# Altium PCB V5_CORE_V1.2.PcbDoc (part 1 of 3)
Units mm, origin at the board's own origin, x right, y up, seen from the top; angles counter-clockwise.
Board outline 33.75 x 33.75 mm, 6 copper layers (Top Layer, GND, S1, S2, POWER, Bottom Layer), stack 1.231 mm thick; 142 components, 227 nets, 732 pads, 359 vias.
Unrouted connection lines stored in the file: 1.
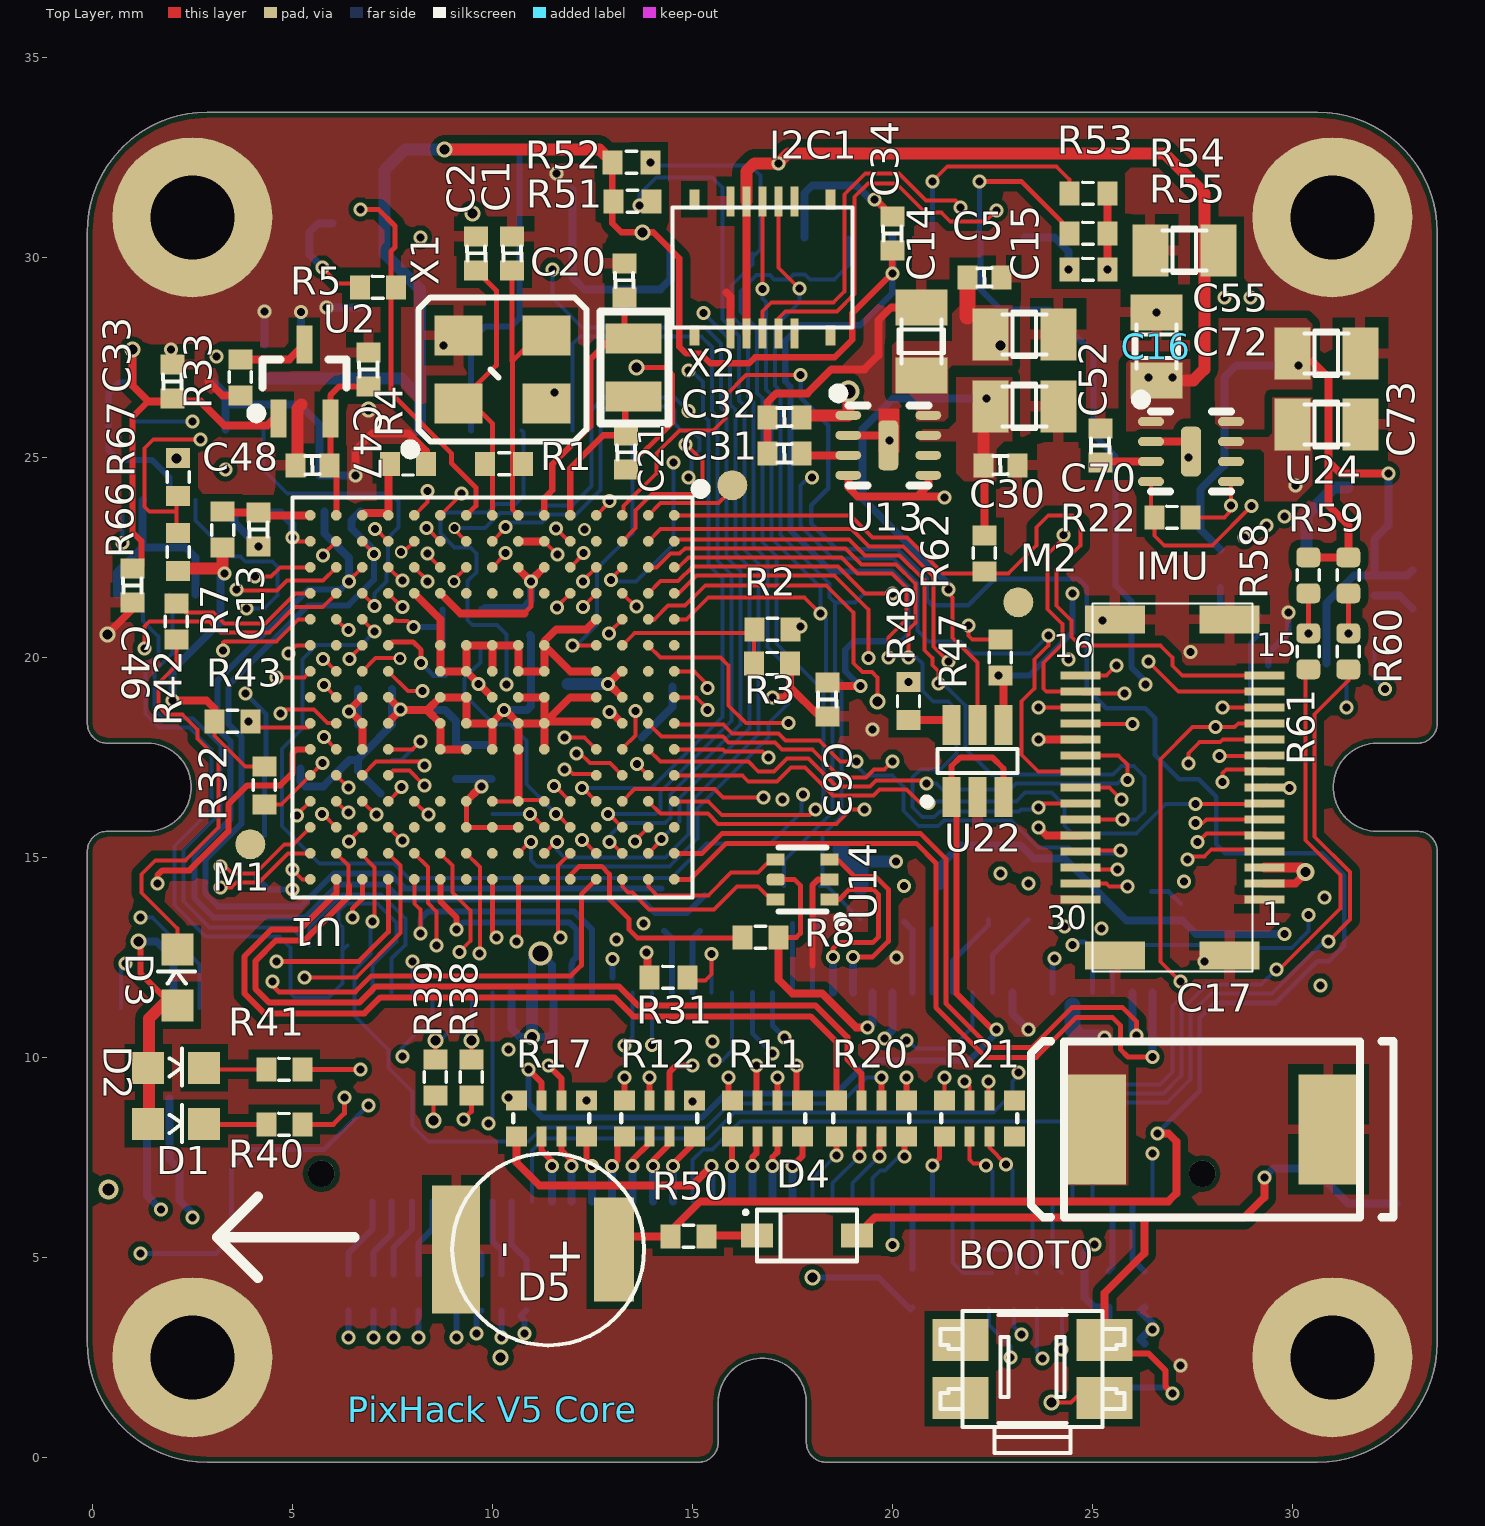
[diagram p0: Top Layer view]
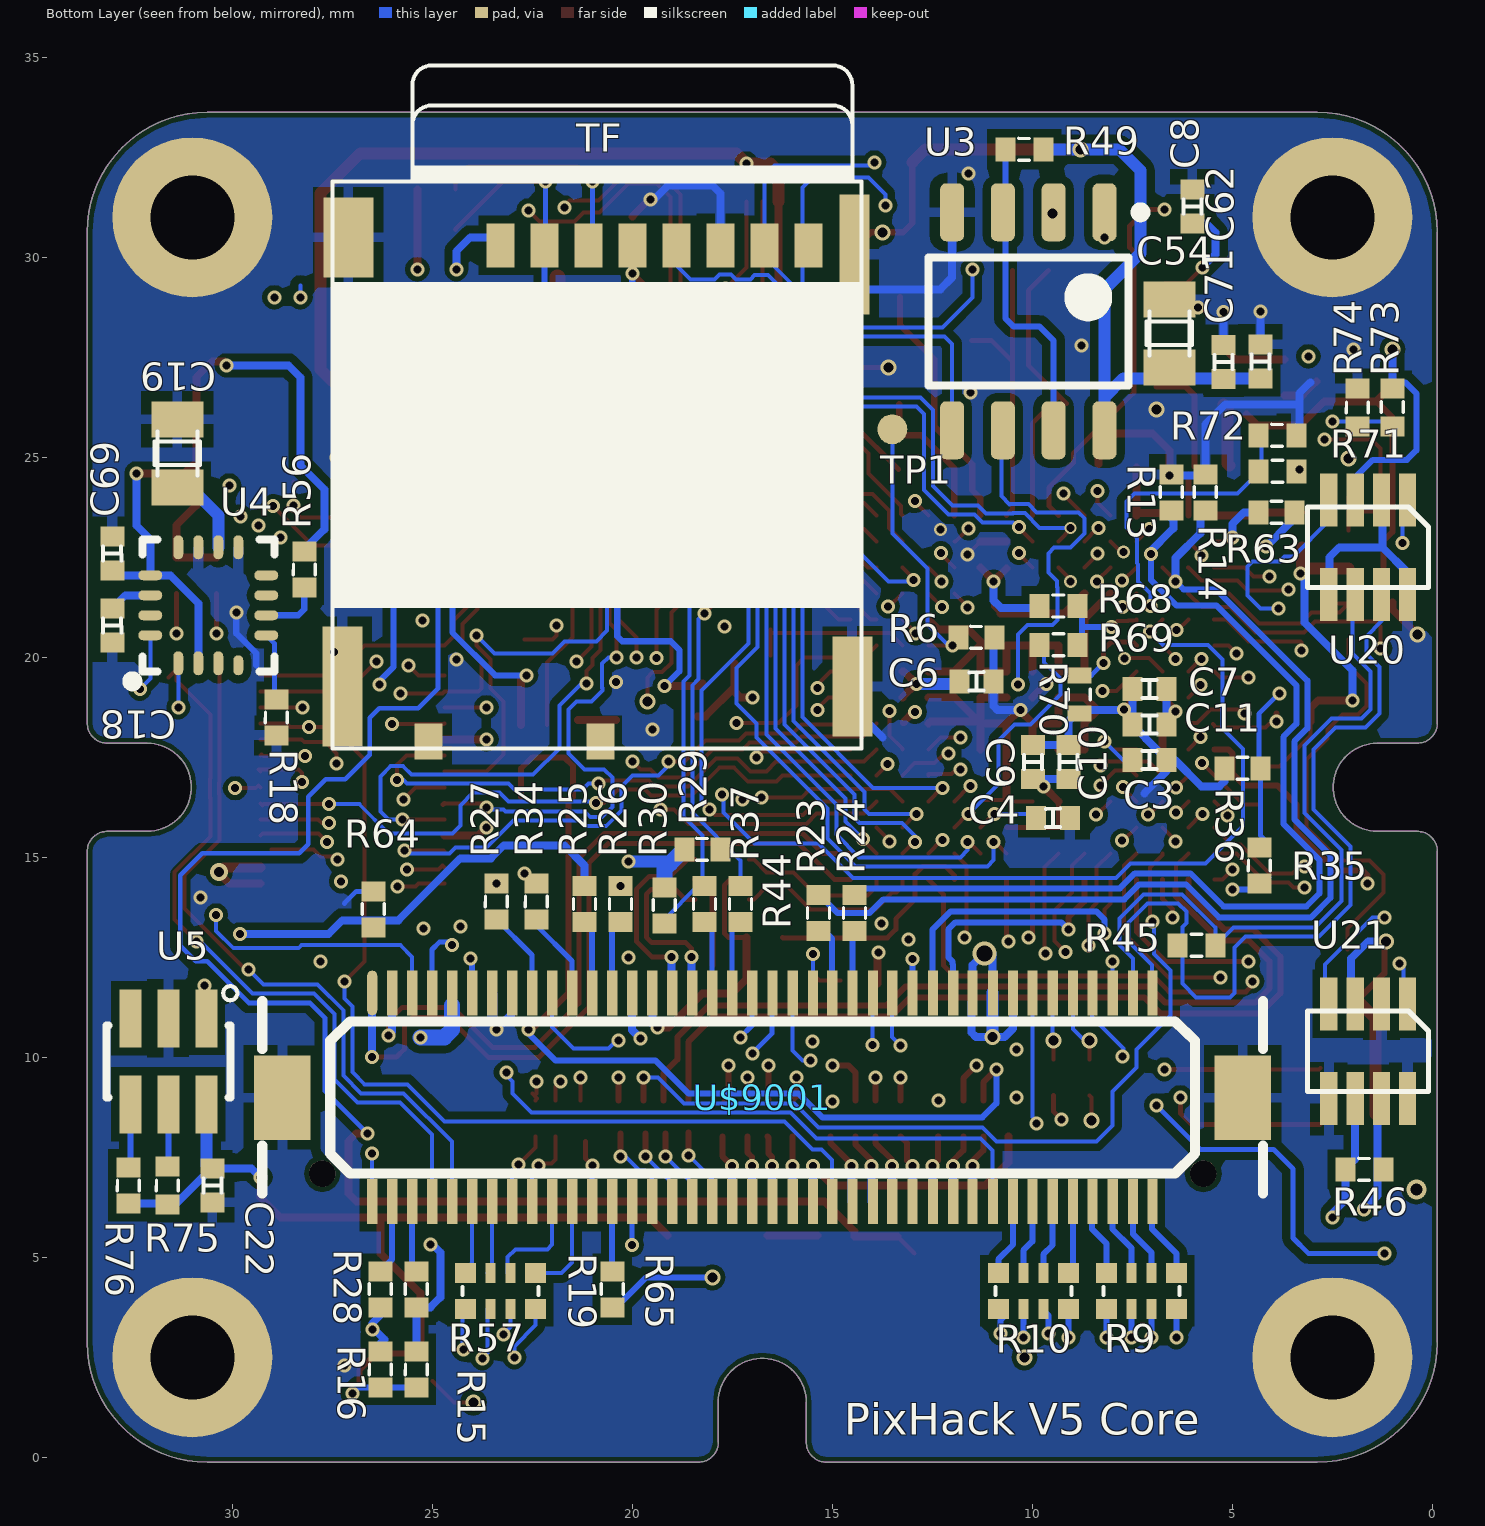
[diagram p1: Bottom Layer view, seen from below]
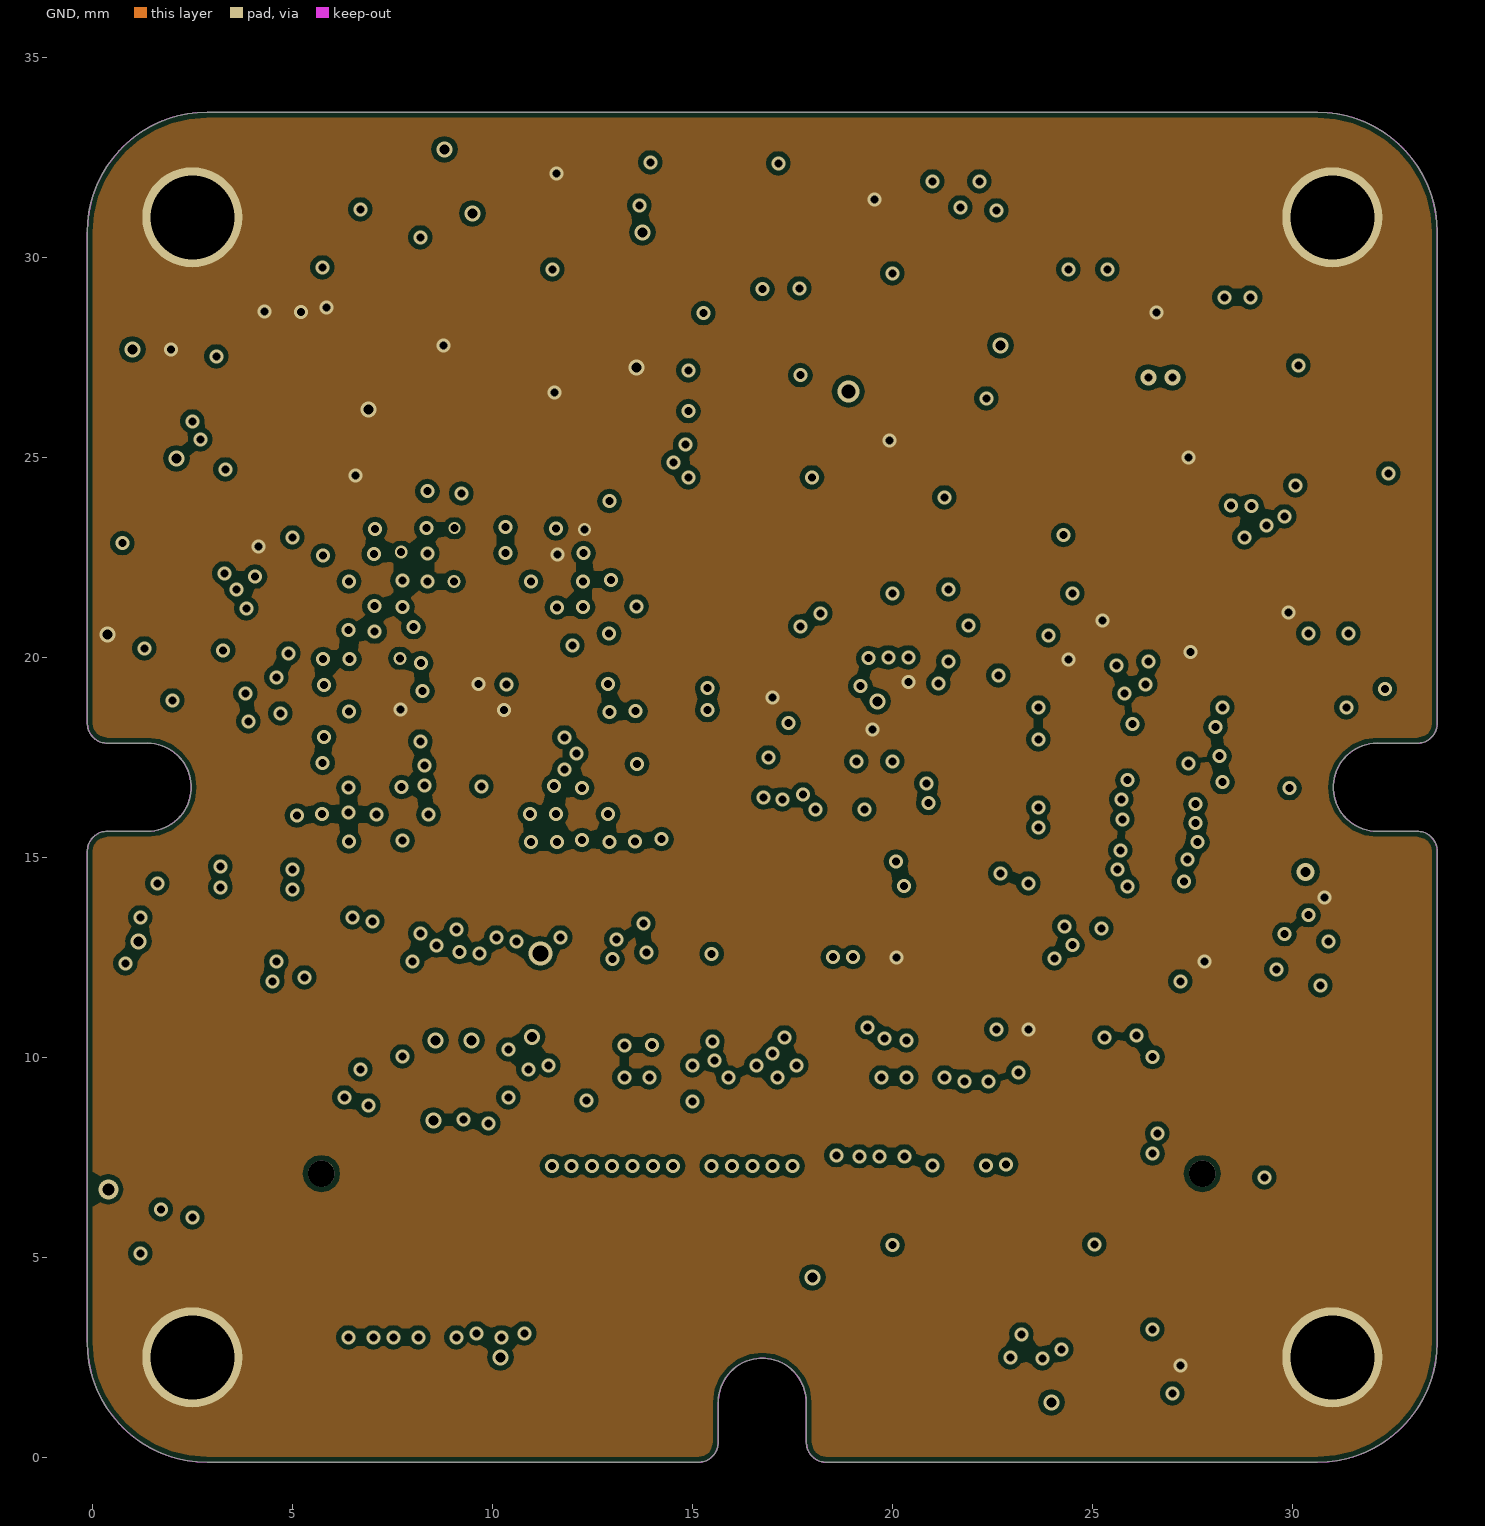
[diagram p2: GND]
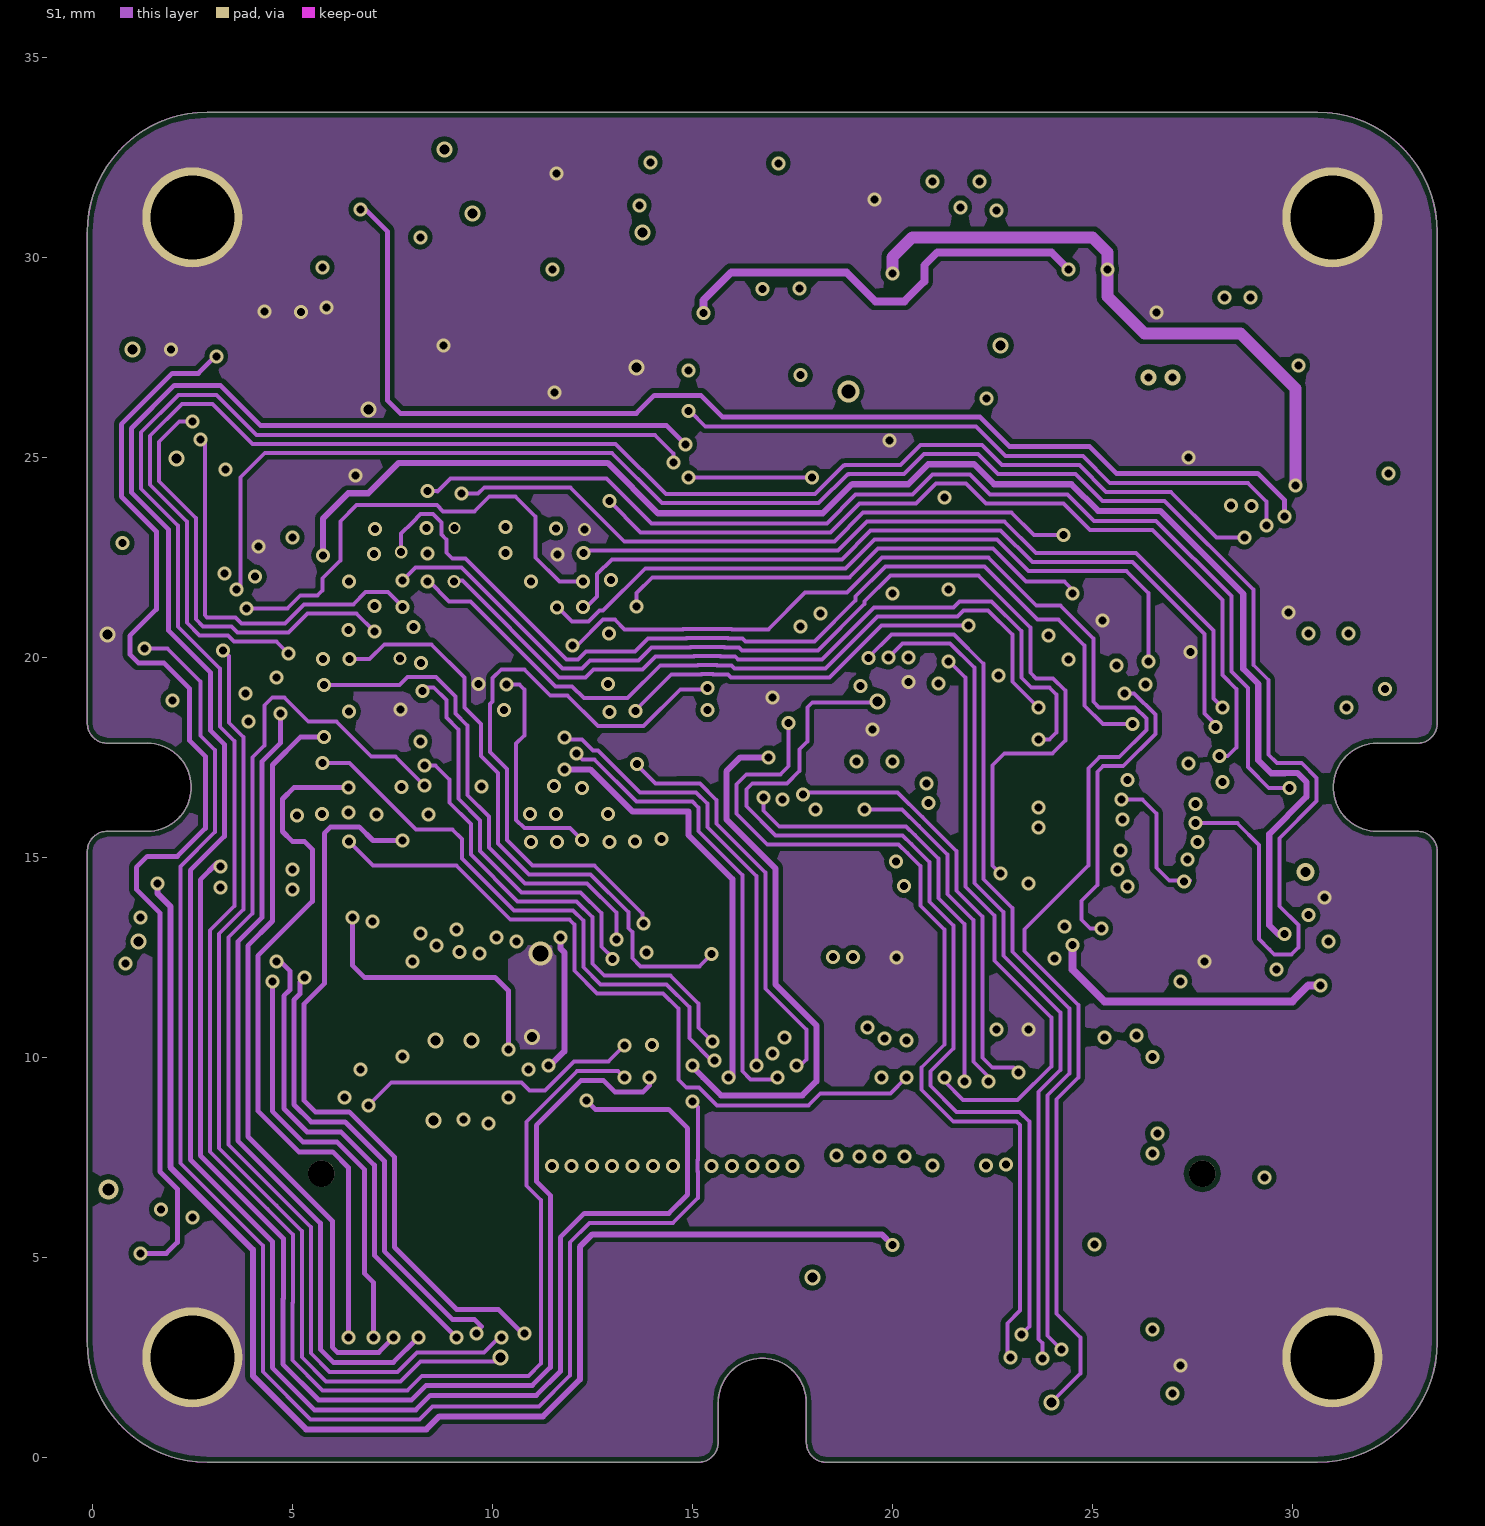
[diagram p3: S1]
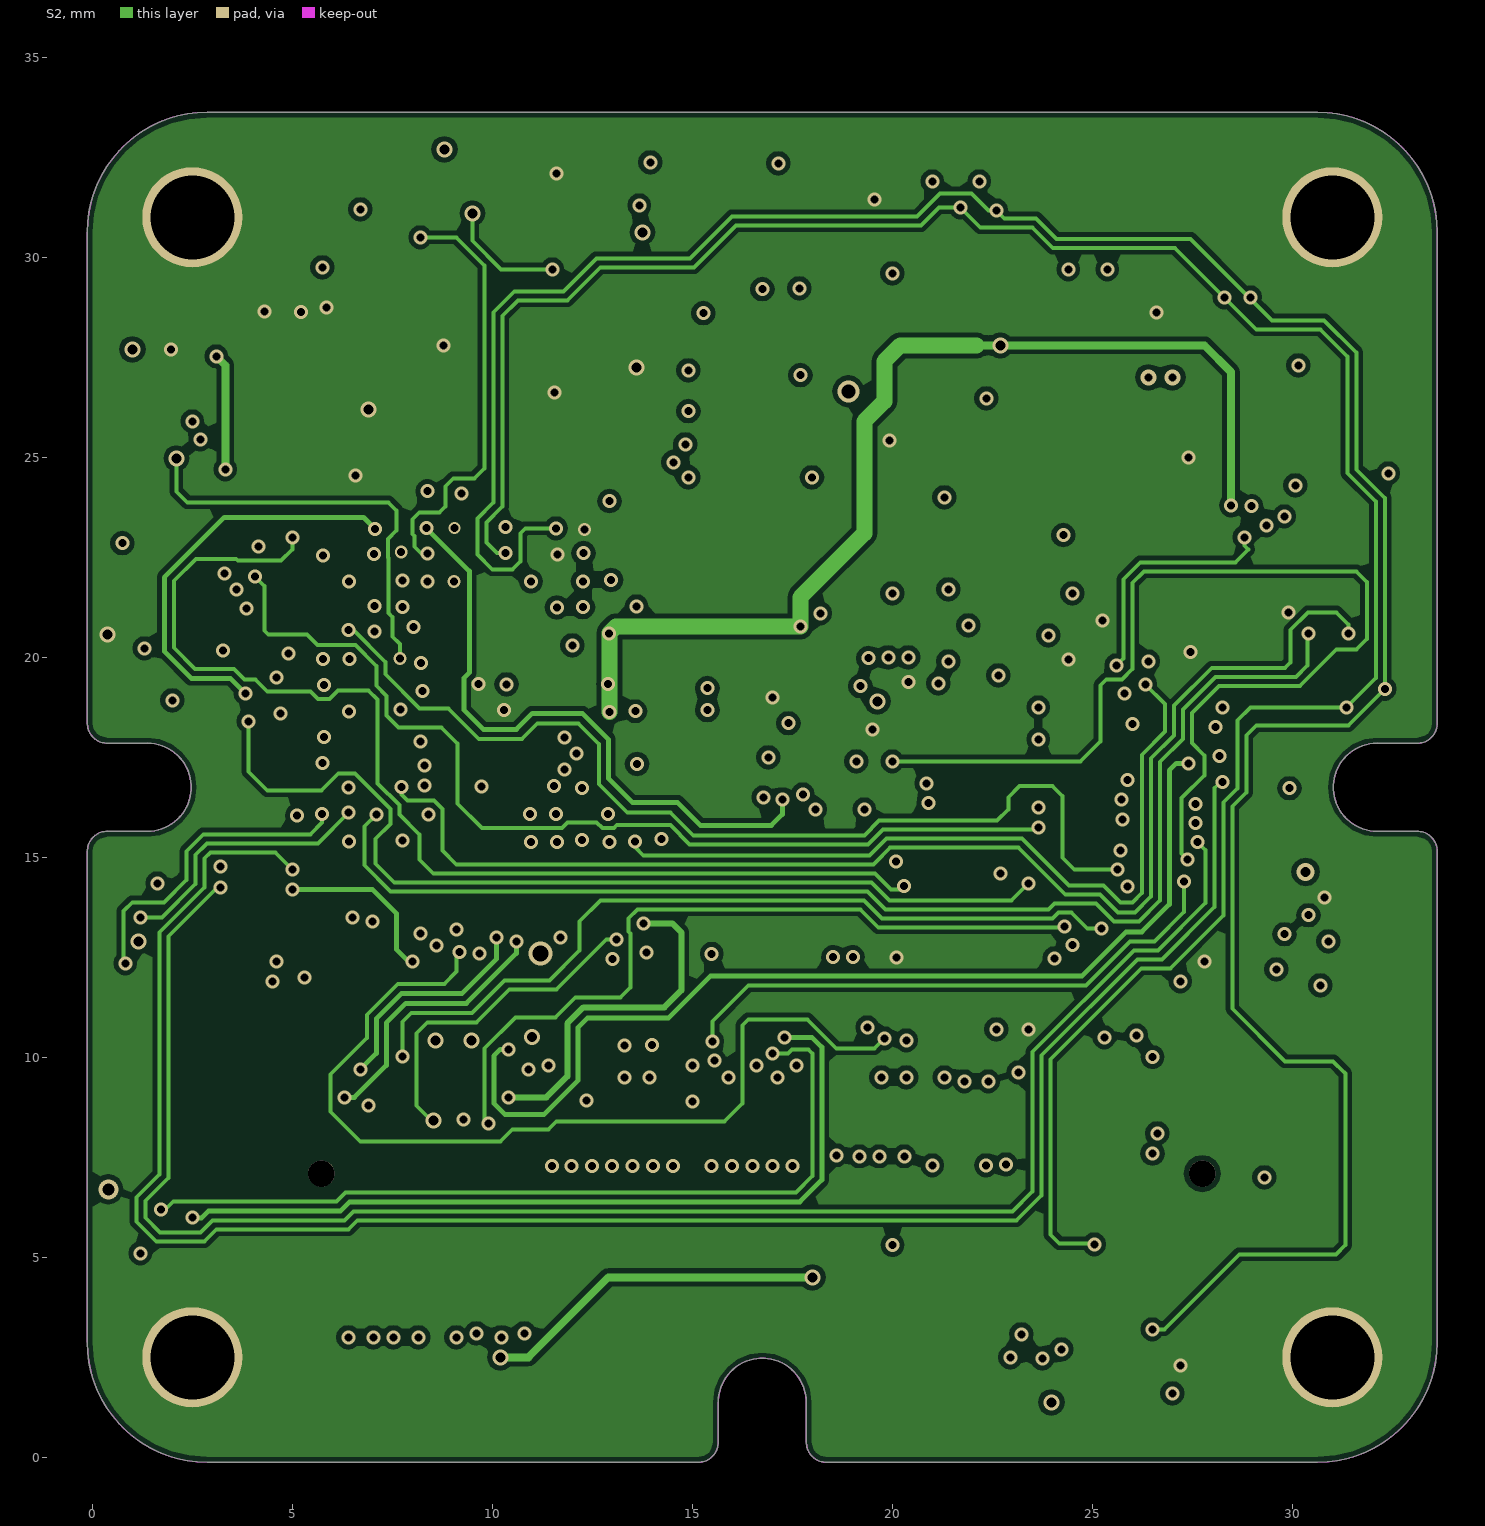
[diagram p4: S2]
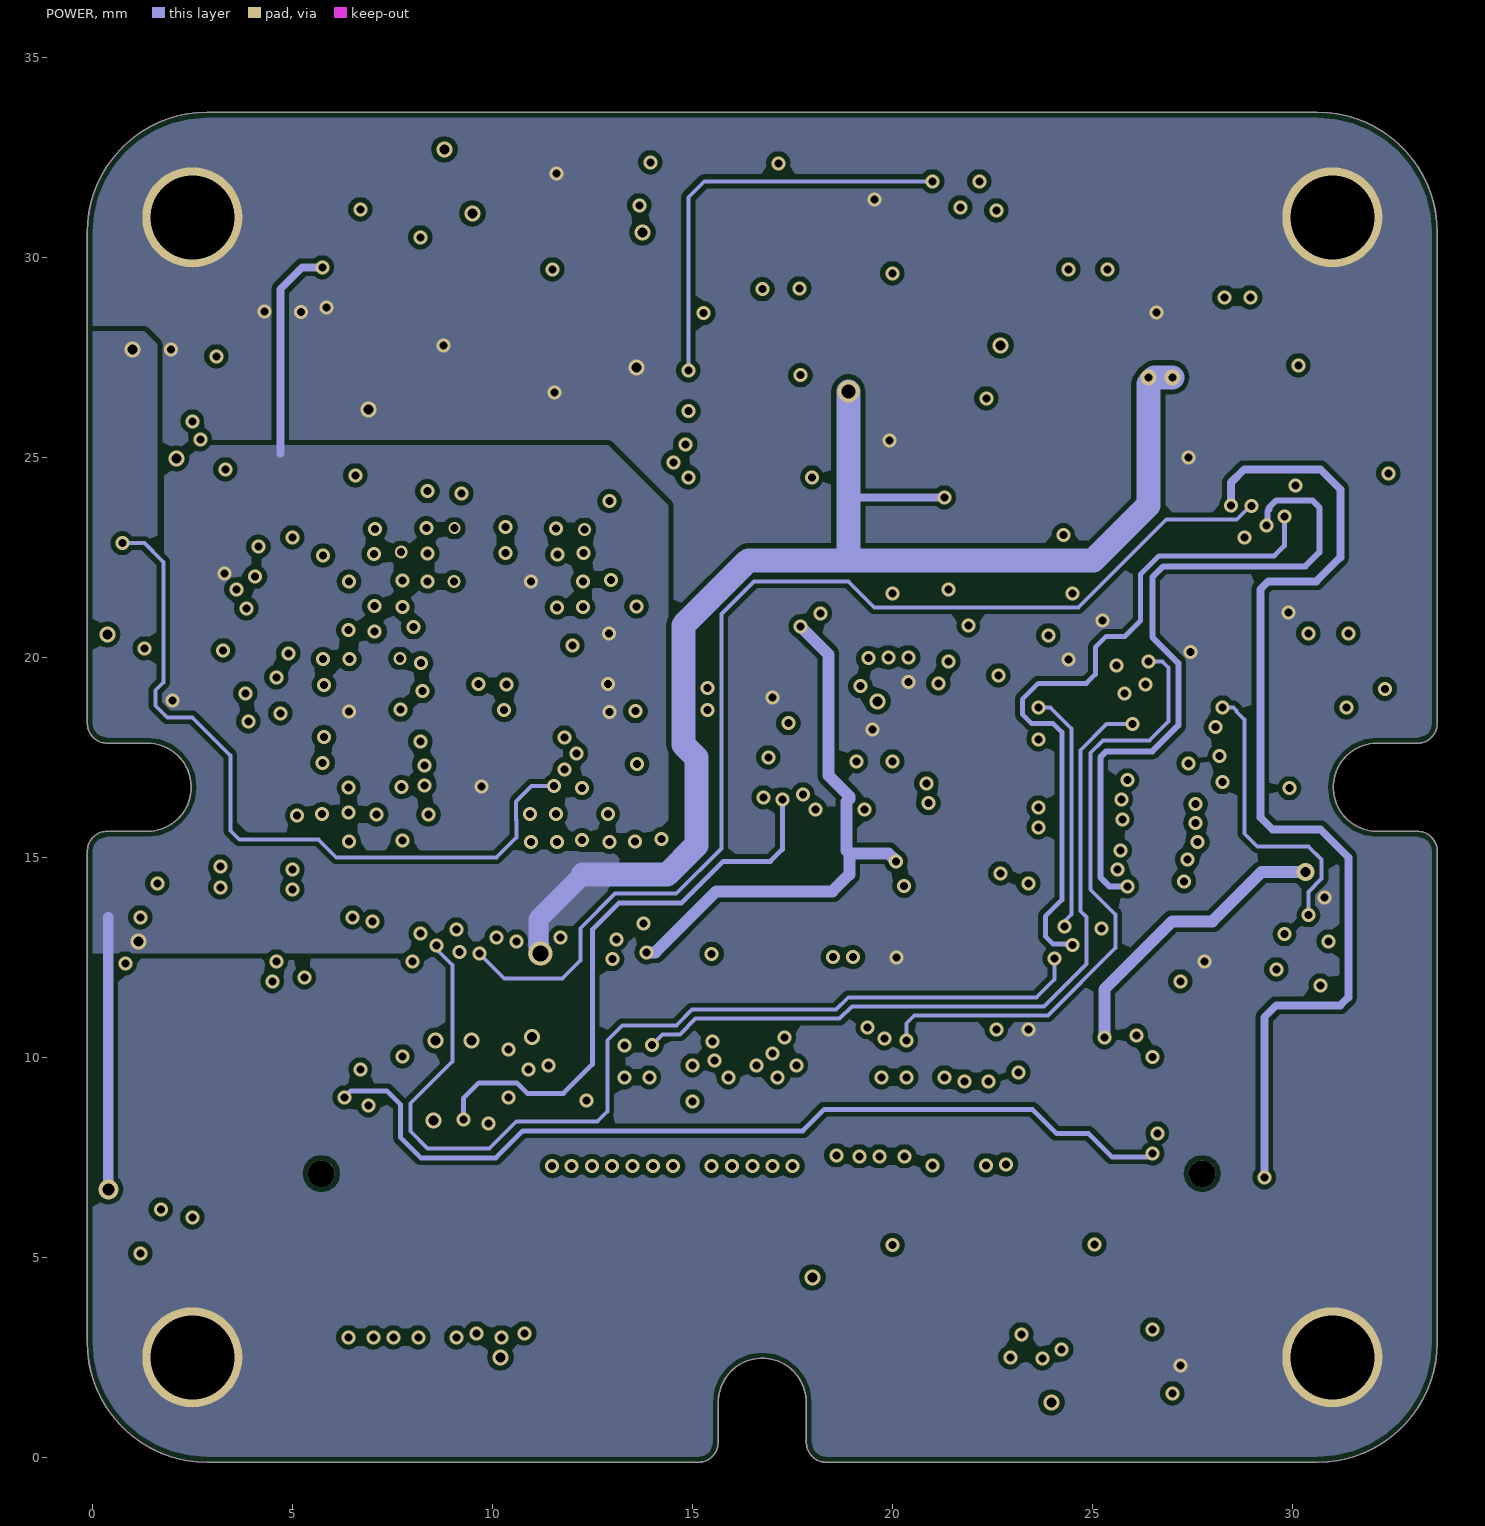
[diagram p5: POWER]
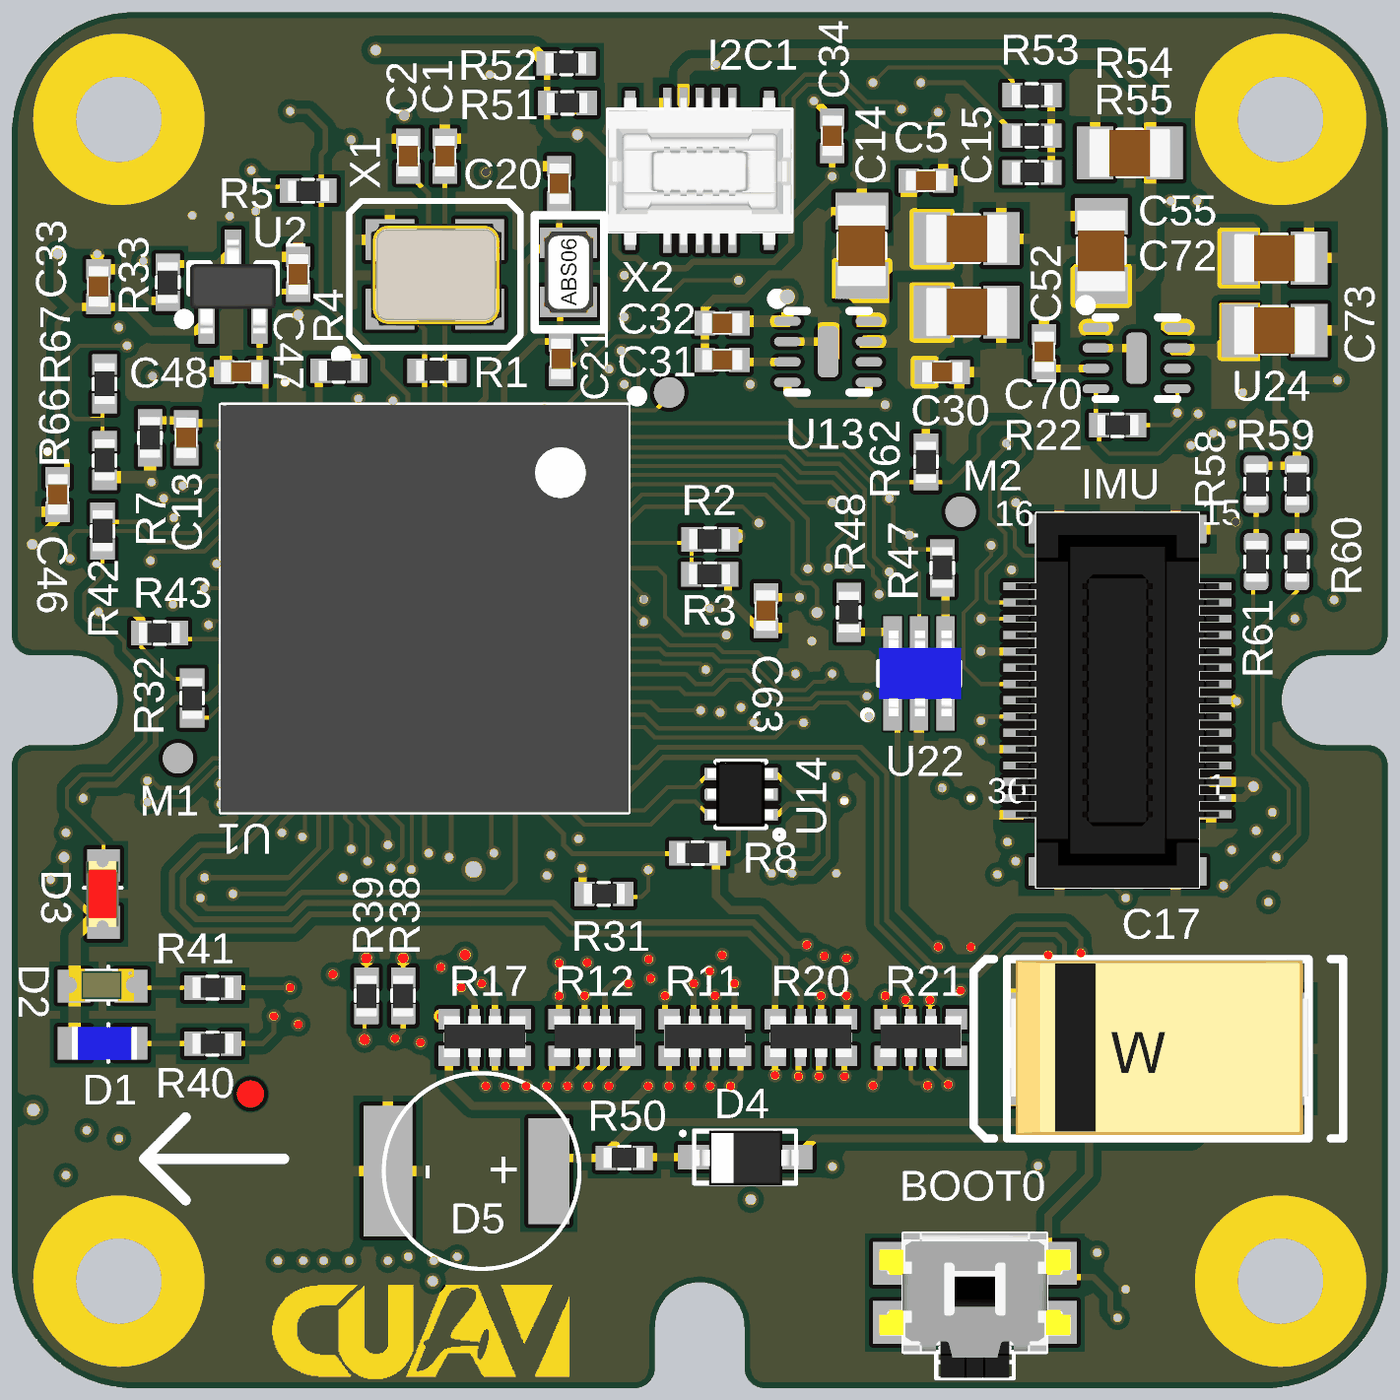
[diagram p8: 3D render of the assembled board from above, using the file's embedded part models]
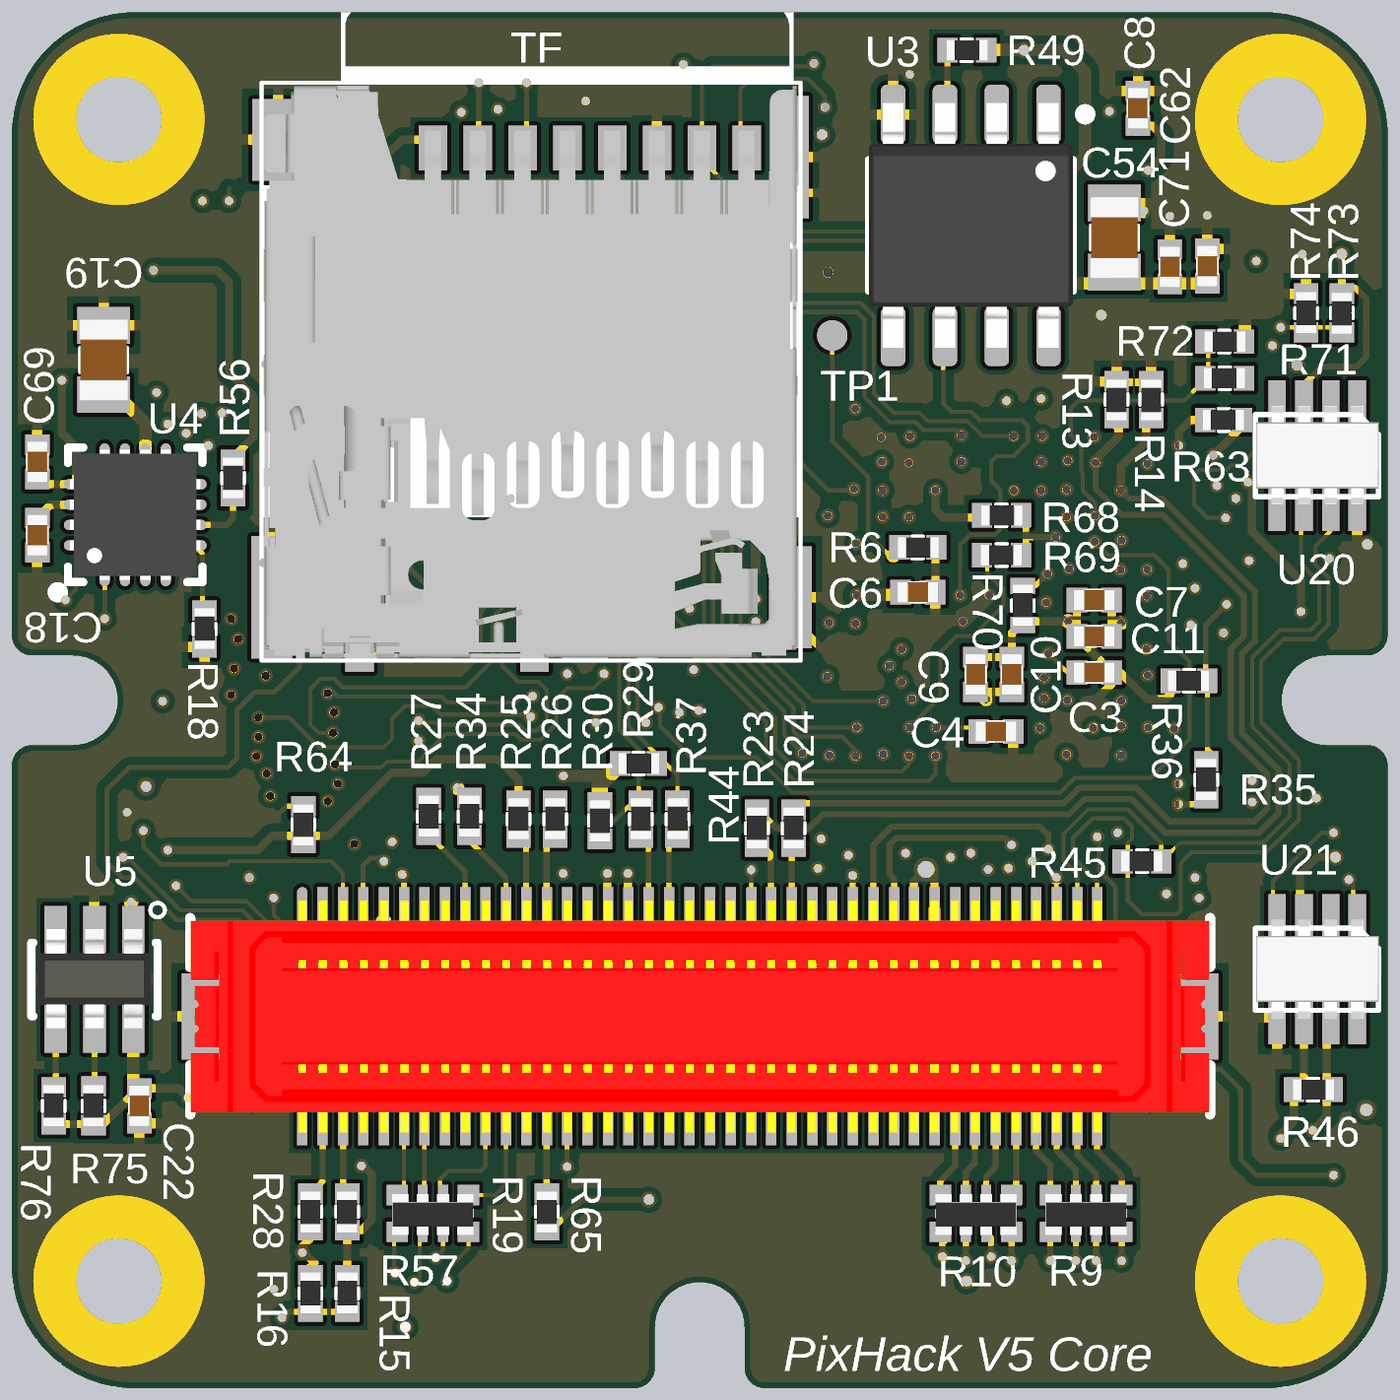
[diagram p9: 3D render of the assembled board from below, using the file's embedded part models]

## Layer stack, top to bottom
Top Solder: solder mask 0.0102, Solder Resist, Dk 3.5
Top Layer: signal copper 0.0356
Dielectric 1: core 0.254, FR-4, Dk 4.2
GND: signal copper 0.036
Dielectric 6: prepreg 0.127, Dk 4.2
S1: signal copper 0.036
Dielectric 3: core 0.254, Dk 4.2
S2: signal copper 0.036
Dielectric 4: prepreg 0.127, Dk 4.2
POWER: signal copper 0.036
Dielectric 5: core 0.254, Dk 4.2
Bottom Layer: signal copper 0.0356
Bottom Solder: solder mask 0.0102, Solder Resist, Dk 3.5

## Board outline
-0.125,2.875 ccw(c2.875,2.875) 2.875,-0.125 15.15,-0.125 ccw(c15.15,0.375) 15.65,0.375 15.65,1.375 cw(c16.75,1.375) 17.85,1.375 17.85,0.375 ccw(c18.35,0.375) 18.35,-0.125 30.625,-0.125 ccw(c30.625,2.875) 33.625,2.875 33.625,15.15 ccw(c33.125,15.15) 33.125,15.65 32.125,15.65 cw(c32.125,16.75) 32.125,17.85 33.125,17.85 ccw(c33.125,18.35) 33.625,18.35 33.625,30.625 ccw(c30.625,30.625) 30.625,33.625 2.875,33.625 ccw(c2.875,30.625) -0.125,30.625 -0.125,18.351 ccw(c0.375,18.351) 0.375,17.851 0.375,17.85 1.375,17.85 cw(c1.375,16.75) 1.375,15.65 0.375,15.65 ccw(c0.375,15.15) -0.125,15.15
